# Allegro board Coral-Dev-Board-Mini-layout-Allegro.brd (continued)
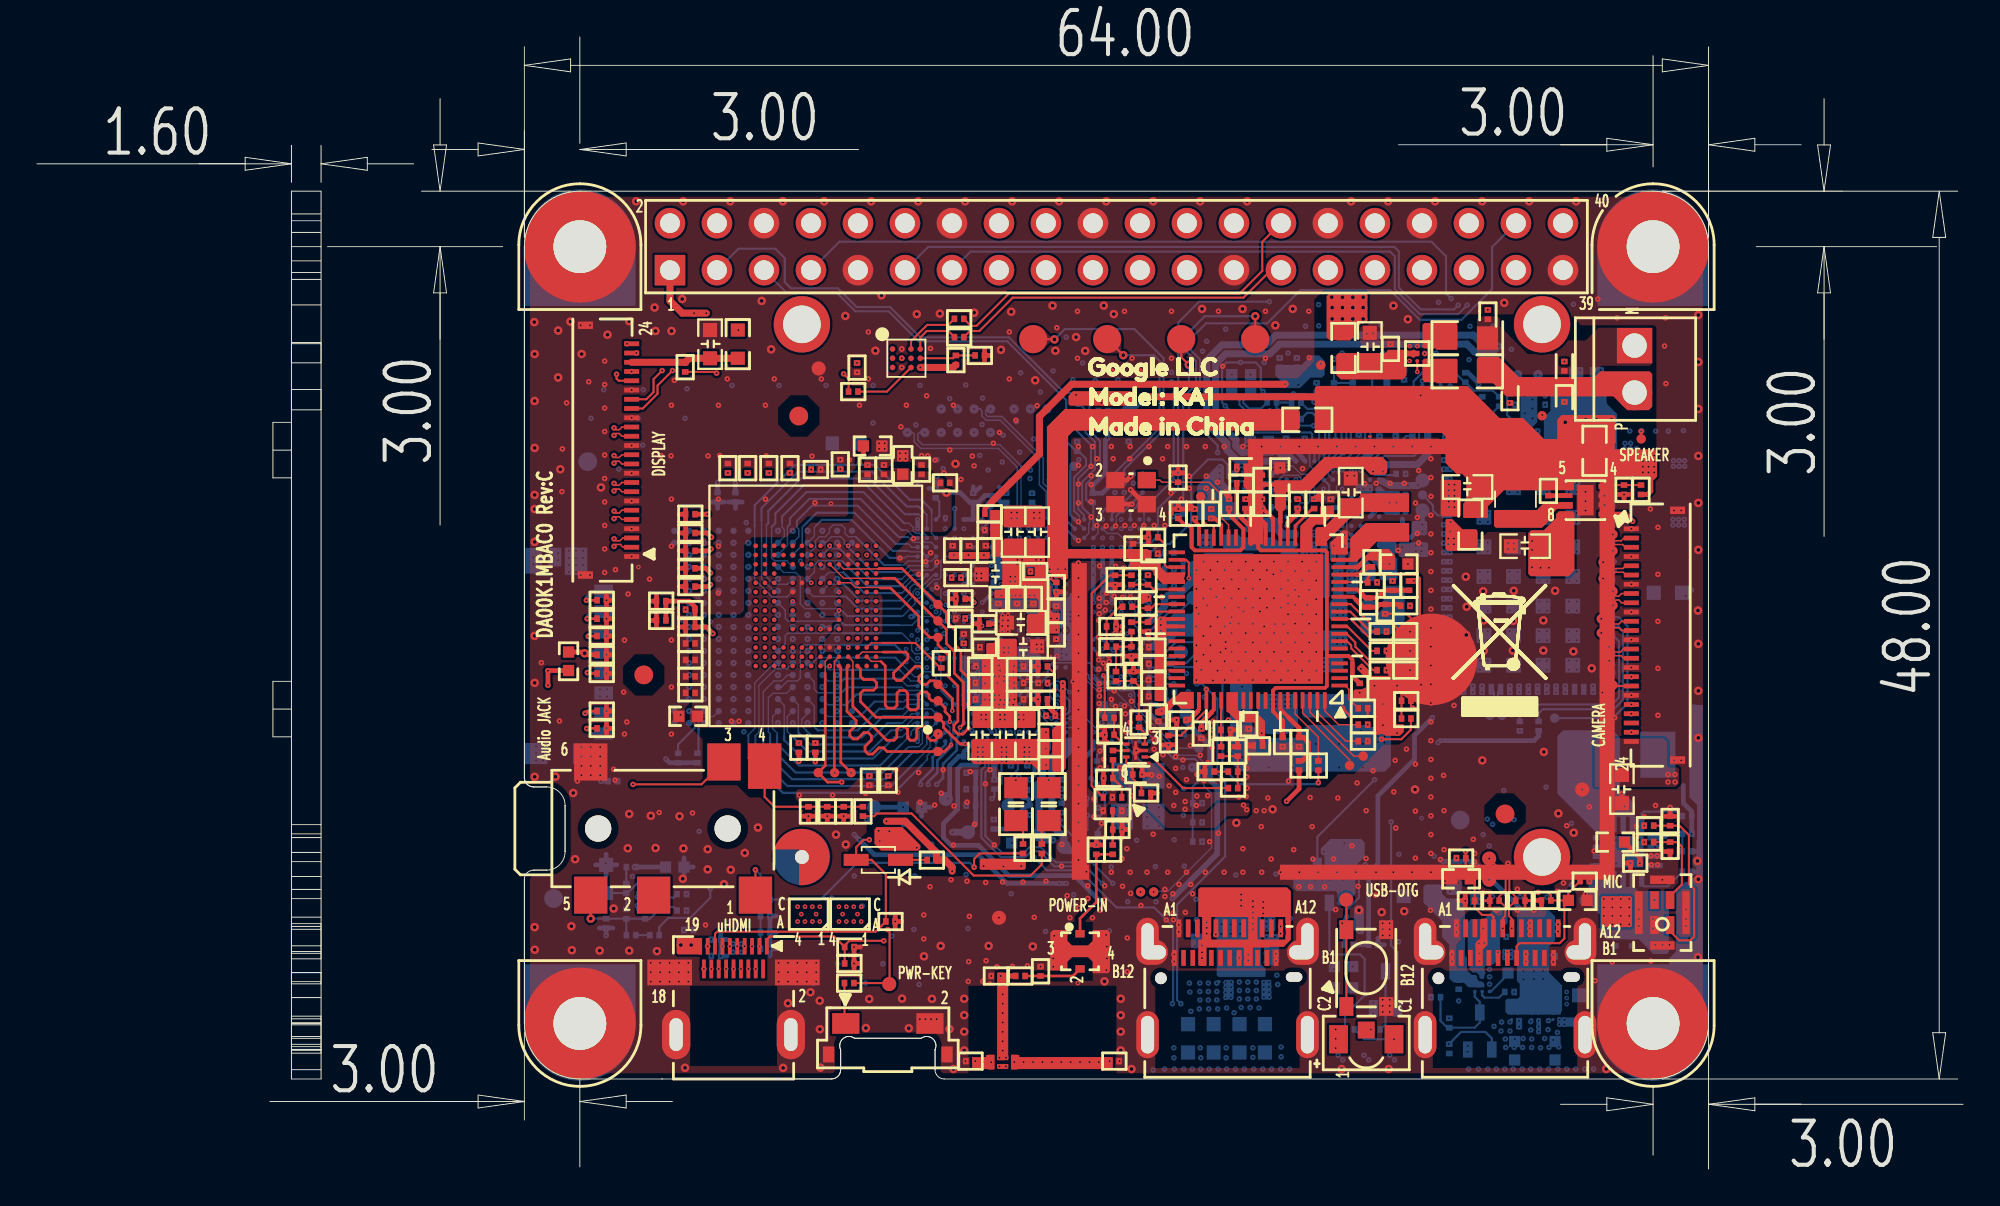
[diagram p0: board, top side]
## Copper pours and planes (outline as drawn; the poured copper is in the pictures) (continued)
VBUS on L05_POW: outline of 299 points within 33.22,6.22 89.4,51.96
VBUS on L08_IN4: 69.83,47.37 72.39,47.37 72.62,47.14 72.62,46.45 73.69,45.38 73.69,42.54 73.79,42.44 74.14,42.44 74.53,42.06 74.53,41.88 74.83,41.57 75.21,41.57 75.74,41.04 75.97,41.04 82.23,34.78 82.23,34.77 82.6,34.4 82.6,32.33 82.45,32.18 80.19,32.18 80.04,32.33 80.04,34.51 73.64,40.91 72.52,40.91 71.43,42.01 71.43,43.89 71.15,44.16 69.88,44.16 69.6,44.44 69.6,47.14
VBUS on L08_IN4: 67.08,11.17 66.04,10.13 66.04,9.06 66.24,8.86 66.24,8.4 66.12,8.27 62.36,8.27 62.16,8.48 62.1,8.48 61.8,8.78 61.8,8.96 61.99,9.15 62.22,9.15 62.24,9.18 61.85,9.57 61.85,10.54 62.87,11.55 64.82,11.55 65.22,11.94 65.22,14.74 65.76,15.28 75.31,15.28 75.64,15.62 76.89,15.62 78.17,14.33 80.84,14.33 81.89,13.28 81.89,8.5 82.02,8.38 82.02,7.74 82.2,7.56 82.42,7.56 82.65,7.33 82.65,6.57 82.45,6.37 78.39,6.37 77.9,6.85 77.9,11.68 75.74,13.84 74.58,13.84 74.12,13.38 69.67,13.38 69.22,13.84 67.69,13.84 67.51,13.66 67.51,13.08 67.08,12.64
VBUS_3W on TOP (solid shape): 74.03,44.29 74.19,44.24 74.34,44.28 74.36,44.29 74.43,44.29 74.45,44.28 74.54,44.24 74.64,44.24 74.7,44.22 74.72,44.15 74.72,44.09 74.72,44.03 74.7,43.96 74.64,43.94 74.52,43.93 74.42,43.87 74.41,43.86 74.36,43.86 74.34,43.87 73.99,43.87 73.99,43.51 74,43.5 74.01,43.47 74.01,42.9 73.81,42.69 70.46,42.69 70.23,42.92 70.23,44.01 70.33,44.11 72.87,44.11 72.95,44.19 72.95,44.22 73.03,44.29
VBUS_R on BOTTOM (solid shape): 75.94,15.26 75.94,14.88 76.2,14.63 76.96,14.63 77.17,14.42 77.17,11.55 77.28,11.44 77.28,10.75 77.53,10.5 77.73,10.5 77.83,10.41 77.83,10.27 77.96,10.14 78.1,10.14 78.21,10.02 78.23,9.85 78.19,9.81 78.17,9.81 78.1,9.82 78.04,9.81 77.77,9.81 77.72,9.82 77.37,9.82 77.11,10.08 76.56,10.08 76.33,10.31 76.33,12.13 75.94,12.52 75.94,13.39 74.93,14.41 74.93,15.26 75.05,15.39 75.81,15.39
VBUS_TYPC on TOP (solid shape): 78.39,13.49 78.39,12.11 78.14,11.86 78.14,11.01 78.11,10.99 77.8,10.99 77.75,11.04 77.75,12.22 77.99,12.47 77.99,13.46 78.06,13.54 78.35,13.54
VBUS_TYPC on BOTTOM (solid shape): 82.04,13.65 82.04,12.35 81.71,12.01 81.71,10.63 82.16,10.18 82.16,10.18 82.42,9.93 82.42,8.53 82.24,8.35 81.23,8.35 81.23,8.35 79.5,8.35 79.35,8.5 79.35,9.11 79.45,9.21 80.04,9.21 80.13,9.3 80.13,10.01 79.98,10.16 79.98,13.15 79.98,13.15 79.98,13.79 80.21,14.02 81.68,14.02
VBUS_TYPC on L04_IN2: 81.95,9.16 81.51,8.72 77.76,8.72 77.54,8.93 77.54,13.06 78.33,13.84 79.93,13.84 80.26,13.51 81.41,13.51 81.95,12.97
VBUS_TYPC_R on BOTTOM (solid shape): 79.47,13.96 79.47,13.3 79.06,12.89 79.06,11.43 78.67,11.04 78.64,11.03 78.63,11.04 78.29,10.97 78.28,10.62 78.29,10.61 78.29,10.57 78.28,10.56 78.23,10.47 78.22,10.37 78.2,10.32 78.15,10.29 78,10.29 77.95,10.34 77.95,10.46 77.89,10.53 77.86,10.55 77.84,10.58 77.79,10.63 77.58,10.63 77.4,10.81 77.4,11.49 77.32,11.58 77.32,13.34 77.44,13.46 78.15,13.46 78.71,14.02 79.42,14.02
VCCIO_PMU on L03_IN1 (solid shape): 50.8,30.75 51.03,30.75 51.13,30.65 51.13,30.24 50.86,29.97 50.86,28.91 51.23,28.54 51.23,27.54 51.04,27.34 50.8,27.34 50.76,27.35 50.69,27.34 50.63,27.3 50.59,27.26 50.58,27.25 50.56,27.24 50.31,27.24 50.18,27.37 50.18,27.38 49.95,27.61 49.95,29.74 50.4,30.18 50.4,30.62 50.53,30.76 50.8,30.76
VCCIO_PMU on L06_GND2 (solid shape): 72.41,30.85 72.41,30.05 72.24,29.88 71.59,29.88 71.42,30.05 71.42,30.85 71.55,30.98 72.28,30.98
VCCIO_PMU on L08_IN4 (solid shape): 50.85,30.59 50.85,29.61 50.9,29.56 50.9,28.87 51.23,28.54 51.23,27.37 50.97,27.1 50.75,27.1 50.63,26.99 50.37,26.99 50.22,27.14 50.22,27.94 50.23,27.97 50.29,28.12 50.23,28.26 50.22,28.29 50.22,29.44 50.23,29.47 50.29,29.62 50.23,29.76 50.22,29.79 50.22,30.62 50.37,30.76 50.68,30.76
VCCIO_PMU on BOTTOM: 50.56,27.68 50.33,27.91 49.84,27.91 49.81,27.88 48.82,27.88 48.69,28.01 47.93,28.01 47.88,28.06 47.88,29.76 47.93,29.81 48.24,29.81 48.31,29.74 48.31,29.41 48.36,29.36 48.67,29.36 48.67,29.33 48.85,29.15 49.23,29.15 49.46,29.38 49.46,30.83 49.52,30.9 50.04,30.9 50.09,30.89 50.14,30.9 50.54,30.9 50.59,30.89 50.69,30.9 50.86,30.73 50.87,30.69 50.86,30.58 50.9,30.48 50.9,30.25 50.86,30.12 50.9,29.98 50.9,27.81 50.78,27.68
VCCIO_PMU on L05_POW: outline of 149 points within 30.33,17.75 72.39,39.59
ADA_IN on TOP (solid shape): 67.76,15.02 67.76,12.39 67.38,12.01 66.7,12.01 66.59,12.01 66.59,11.97 65.71,11.97 65.71,11.02 65.7,10.99 65.67,10.98 65.26,10.98 65.23,10.99 65.22,11.02 65.22,11.3 65.23,11.32 65.24,11.37 65.24,11.41 65.24,11.46 65.23,11.51 65.22,11.53 65.22,11.97 63.21,11.97 63.21,11.02 63.2,10.99 63.17,10.98 62.81,10.98 62.76,11.03 62.76,12.37 62.77,12.39 62.79,12.4 62.97,12.4 62.97,12.68 63.43,12.68 63.44,12.63 63.45,12.59 63.46,12.57 63.46,12.4 63.69,12.4 63.73,12.4 65.47,12.4 65.96,12.4 67.47,12.4 67.47,12.62 67.48,12.65 67.49,12.7 67.49,12.75 67.49,12.78 67.49,12.8 67.49,12.85 67.48,12.9 67.47,12.93 67.47,13 67.48,13.03 67.49,13.08 67.49,13.13 67.49,13.16 67.49,13.18 67.49,13.23 67.48,13.28 67.47,13.32 67.47,13.62 65.96,13.62 65.96,12.4 65.47,12.4 65.47,13.62 63.46,13.62 63.46,12.8 63.45,12.78 63.44,12.73 63.43,12.68 62.97,12.68 62.97,13.62 62.77,13.63 62.76,13.7 62.76,15.12 62.86,15.23 67.56,15.23
ADA_IN on BOTTOM (solid shape): 66.15,13.94 66.15,11.07 66.4,10.81 66.4,10.43 66.35,10.38 66.15,10.38 66.03,10.38 66.03,10.39 65.89,10.39 65.45,10.39 65.43,10.39 64.99,10.39 64.8,10.39 64.8,10.38 63.85,10.38 63.75,10.48 63.75,13.06 63.65,13.16 63.65,13.9 63.74,13.99 66.1,13.99
ADA_IN on L04_IN2 (solid shape): 66.43,14.95 66.43,11.17 66.06,10.81 62.68,10.81 62.42,11.06 62.42,14.43 63.09,15.1 66.28,15.1
APEX_V3P3 on TOP (solid shape): 85.32,40.66 85.32,39.26 85.17,39.11 82.35,39.11 82.17,39.29 82.17,40.53 82.4,40.76 85.22,40.76
APEX_V3P3 on BOTTOM (solid shape): 82.7,42.21 84.66,42.21 84.84,42.03 84.84,41.37 85.4,40.81 85.4,37.3 85.23,37.13 84.73,37.13 84.63,37.23 84.63,39.15 84.49,39.28 81.52,39.28 81.43,39.36 81.43,40.63 81.79,40.99 81.79,42.34 81.92,42.46 82.45,42.46
BUCK_1V3_OUT on TOP (solid shape): 74.15,36.52 74.15,35.53 72,35.53 72,35.53 71.67,35.53 71.44,35.3 71.08,35.3 69.7,33.92 69.7,33.71 69.69,33.69 69.1,33.69 69.1,33.7 69.1,34.62 69.18,34.71 69.57,34.71 70.28,35.42 70.28,36.18 70.37,36.27 71.51,36.27 71.51,36.53 74.14,36.53
BUCK_1V3_OUT on TOP (solid shape): 64.89,25.75 64.89,24.84 64.97,24.76 65.82,24.76 66.37,24.21 66.37,22.78 66.32,22.73 66.14,22.73 66.09,22.78 66.09,23.16 65.81,23.44 65.81,24.1 65.76,24.15 64.92,24.15 64.43,24.64 64.38,24.68 64.32,24.7 64.28,24.73 64.28,25.75 64.31,25.78 64.87,25.78
MT7658_AVDD22 on L07_IN3 (solid shape): 66.42,35.78 66.42,35.58 66.11,35.28 66.11,35.02 66.09,35 65.32,35 65.27,35.05 65.27,35.3 65.3,35.33 65.63,35.33 66.21,35.91 66.29,35.91
PMU_VBAT_VCORE on BOTTOM (solid shape): 65.09,34.14 66.87,34.14 67.06,33.95 68.03,33.95 68.17,33.82 68.17,33.71 68,33.53 67.97,33.52 67.56,33.52 67.25,33.52 67.16,33.43 66,33.43 65.98,33.46 64.24,33.46 64.11,33.59 64.11,34.29 64.13,34.31 64.92,34.31
PMU_VBAT_VPROC on BOTTOM (solid shape): 69.2,33.83 69.2,32.81 69.07,32.68 69.07,29.8 69,29.73 68.26,29.73 68.17,29.82 68.17,32.58 68.36,32.77 68.38,32.77 68.39,32.76 68.72,32.79 68.8,33.12 68.81,33.2 68.82,33.26 68.81,33.32 68.82,33.52 68.82,33.74 68.81,33.83 68.82,33.85 68.89,33.93 69.11,33.93
PMU_VBAT_VPROC on L08_IN4 (solid shape): 69.2,33.81 69.2,32.81 69.07,32.68 69.07,29.8 69,29.73 68.32,29.73 68.23,29.82 68.23,32.64 68.36,32.77 68.38,32.77 68.39,32.76 68.72,32.79 68.8,33.12 68.81,33.2 68.82,33.26 68.81,33.32 68.82,33.52 68.82,33.74 68.81,33.83 68.82,33.85 68.86,33.9 69.1,33.9
PMU_VBAT_VSYS on BOTTOM (solid shape): 70.71,33.37 70.71,32.71 70.63,32.62 70.61,32.6 70.61,30.95 70.82,30.74 70.82,29.71 70.79,29.69 69.95,29.69 69.85,29.79 69.85,30.63 70.04,30.82 70.04,32.69 70.05,32.71 70.07,32.73 70.28,32.87 70.3,33.12 70.31,33.2 70.32,33.26 70.32,33.3 70.31,33.35 70.31,33.37 70.38,33.44 70.65,33.44
PMU_VBAT_VSYS on L08_IN4 (solid shape): 70.64,33.51 70.67,33.5 70.71,33.45 70.71,32.71 70.63,32.62 70.61,32.6 70.61,31.51 70.79,31.33 70.79,29.81 70.73,29.75 69.98,29.75 69.88,29.85 69.88,30.66 70.04,30.82 70.04,32.69 70.05,32.71 70.07,32.73 70.28,32.87 70.3,33.12 70.31,33.2 70.32,33.26 70.32,33.3 70.31,33.35 70.31,33.37 70.45,33.51
SOC_FSOURCE_P on TOP (solid shape): 52.07,35.56 52.07,33.18 51.99,33.1 51.62,33.1 51.58,33.15 51.58,34.12 51.51,34.18 51.51,35.57 51.51,35.6 51.55,35.64 52,35.64
SOC_FSOURCE_P on BOTTOM (solid shape): outline of 86 points within 51.52,30.98 52.47,33.37
SPK_N on TOP: 87.28,45.49 87.3,45.46 87.3,43.56 87.18,43.43 84.56,43.43 84.08,42.95 80.16,42.95 79.05,44.06 77.9,44.06 77.82,44.14 77.82,45.46 77.82,45.46 77.82,45.96 77.95,46.1 78.92,46.1 79.07,45.94 79.07,45.56 80.57,44.06 81.97,44.06 82.7,44.8 83.69,44.8 84.38,45.49
SPK_N_R2 on TOP (solid shape): 76.75,45.72 76.75,44.45 76.68,44.37 74.95,44.37 74.88,44.45 74.88,45.64 74.98,45.74 76.73,45.74
SPK_P on TOP (solid shape): 80.09,42.82 84.19,42.82 84.5,43.12 87.15,43.12 87.3,42.98 87.3,41.22 87.1,41.03 85.95,41.03 85.19,41.78 79.4,41.78 78.69,42.49 77.87,42.49 77.82,42.54 77.82,43.81 77.92,43.91 79,43.91
SPK_P_R2 on TOP (solid shape): 76.75,43.78 76.75,42.57 76.73,42.54 75,42.54 74.88,42.67 74.88,43.71 74.98,43.81 76.73,43.81
VAUD22_PMU on BOTTOM (solid shape): 56.3,23.11 56.3,22.86 55.57,22.13 55.09,22.13 55.05,22.09 55.05,21.94 55.02,21.91 54.7,21.91 54.65,21.96 54.65,22.33 54.93,22.61 54.93,22.78 55.01,22.86 55.02,22.87 55.04,22.87 55.27,22.94 55.34,23.17 55.34,23.18 55.35,23.2 55.47,23.32 56.09,23.32
VAUD28_PMU on BOTTOM (solid shape): 54.8,23.25 54.8,22.66 54.53,22.38 54.53,20.98 54.53,20.98 54.53,20.14 54.32,19.93 54.01,19.93 53.8,20.14 53.8,20.8 54.13,21.13 54.13,22.16 53.97,22.32 53.97,23.03 54.33,23.4 54.65,23.4
VCAM_AF_PMU on BOTTOM (solid shape): 65.43,32.73 65.43,32.51 65.35,32.43 65.02,32.43 64.89,32.3 64.89,32.1 64.84,32.05 63.53,32.05 63.5,32.08 63.5,32.7 63.59,32.8 65.36,32.8
VCAM_AF_PMU on BOTTOM (solid shape): 69.59,43.68 69.59,42.95 69.44,42.79 68.84,42.79 68.84,42.79 68.27,42.22 67.6,42.22 66.92,42.89 66.92,43.43 66.98,43.48 68.35,43.48 68.86,43.99 69.29,43.99
VCAM_AF_PMU on L08_IN4 (solid shape): 69.12,38.56 70.31,38.56 70.87,38 70.9,37.95 70.88,37.9 70.89,37.62 71.17,37.61 71.2,37.62 71.23,37.62 71.39,37.62 71.83,37.18 71.83,36.7 71.58,36.44 71.16,36.44 69.85,37.75 69.27,37.75 68.88,38.14 68.83,38.14 68.76,38.19 68.78,38.27 69.06,38.55 69.07,38.56
VCORE_PMU on TOP (solid shape): 54.48,34.06 54.48,31.82 54.78,31.52 54.78,30.2 54.91,30.07 55.24,30.07 55.27,30.04 55.27,28.98 55.24,28.95 54.53,28.95 54.43,28.85 53.54,28.85 53.49,28.9 53.49,29.92 53.59,30.02 54.07,30.02 54.12,30.07 54.12,30.75 54.02,30.86 51.79,30.86 51.74,30.91 51.74,31.24 51.81,31.31 52.09,31.31 52.17,31.39 52.17,32.3 53.46,32.3 53.46,32.29 53.46,32.05 53.92,32.05 53.92,32.29 53.92,32.56 53.46,32.56 53.46,32.3 52.17,32.3 52.17,33.95 52.29,34.08 54.45,34.08
VCORE_PMU on BOTTOM (solid shape): 65.88,32.23 65.88,29.97 65.83,29.92 65.83,29.31 65.55,29.03 65.05,29.03 64.84,29.23 64.84,30.86 65.03,31.05 65.03,32.1 65.04,32.13 65.03,32.25 65.08,32.3 65.81,32.3
VCORE_PMU on BOTTOM (solid shape): 53.23,31.9 54.03,31.9 54.09,31.89 54.15,31.9 54.64,31.9 54.9,31.63 54.91,31.61 54.91,31.26 54.91,30.98 55.19,30.91 55.19,30.91 55.48,30.91 55.49,30.91 55.71,30.92 55.82,31.11 55.83,31.14 56.19,31.14 56.26,31.07 56.26,27.6 56.14,27.48 55.23,27.48 54.96,27.75 54.96,28.23 55.12,28.39 55.13,28.39 55.32,28.59 55.18,28.83 55.17,28.83 55.16,28.85 55.16,28.89 55.17,28.9 55.24,28.94 55.28,28.99 55.34,29.02 55.4,28.99 55.82,29.12 55.4,29.25 55.34,29.22 55.28,29.25 55.24,29.29 55.17,29.33 55.16,29.35 55.16,29.39 55.17,29.41 55.18,29.41 55.32,29.6 55.22,29.81 55.19,29.87 55.22,29.93 55.29,30.23 54.99,30.33 54.98,30.32 54.69,30.32 54.69,30.33 54.59,30.35 54.49,30.33 54.48,30.32 53.69,30.32 53.69,30.33 53.55,30.34 53.42,30.28 53.39,30.26 52.28,30.26 52.26,30.28 52.09,30.35 51.92,30.28 51.89,30.26 51.6,30.26 51.43,30.44 51.43,30.71 51.59,30.86 52.22,30.86 52.44,31.09 52.44,31.17 52.57,31.3 52.57,31.93 52.68,32.04 53.09,32.04
VCORE_PMU on L03_IN1 (solid shape): outline of 150 points within 51.48,27.88 57.11,33.09
VCORE_PMU on L05_POW (solid shape): outline of 224 points within 51.36,27.89 65.15,33.24
VCORE_PMU on L06_GND2 (solid shape): 65.88,32.46 65.88,30.83 65.81,30.75 64.79,30.75 64.64,30.91 64.64,32.53 64.79,32.68 65.65,32.68
VCORE_PMU on L06_GND2 (solid shape): 52.89,32.5 52.93,32.46 52.97,32.42 53,32.39 53.09,32.39 53.13,32.39 53.55,32.39 53.59,32.39 53.77,32.39 53.8,32.38 53.97,32.21 54.35,32.21 54.44,32.12 54.45,32.08 54.52,31.76 54.84,31.69 54.85,31.69 54.87,31.69 56.26,30.3 56.69,30.3 56.8,30.19 56.8,28.16 56.79,28.14 56.12,27.46 55.32,27.46 54.79,27.99 54.79,28.28 54.92,28.41 55.2,28.41 55.81,29.02 55.81,29.31 55.64,29.49 55.54,29.49 55.44,29.59 55.44,30.17 55.28,30.34 55.05,30.34 55,30.39 54.37,30.39 54.31,30.4 54.25,30.4 54.15,30.41 54.04,30.39 54.03,30.39 53.71,30.39 53.71,30.39 53.6,30.41 53.49,30.39 53.48,30.39 53.17,30.39 53.16,30.39 53.05,30.41 52.94,30.39 52.93,30.39 52.69,30.39 52.68,30.39 52.57,30.41 52.46,30.39 52.45,30.39 51.58,30.39 51.42,30.55 51.42,30.98 51.91,31.47 51.94,31.47 51.96,31.46 52.03,31.42 52.12,31.42 52.24,31.49 52.29,31.62 52.29,31.73 52.34,31.8 52.39,31.96 52.35,32.13 52.34,32.14 52.35,32.17 52.38,32.2 52.38,32.48 52.52,32.62 52.77,32.62
VCORE_PMU on L08_IN4 (solid shape): outline of 166 points within 51.21,27.42 56.84,32.68
VCORE_PMU on L04_IN2: 54.83,27.94 54.74,28.03 54.74,28.06 54.71,28.27 54.54,28.41 54.5,28.44 54.5,29.86 54.63,29.99 54.63,30.28 54.49,30.43 52.08,30.43 51.99,30.33 51.99,29.53 52.17,29.35 52.17,28.73 51.95,28.51 51.95,28.51 51.88,28.45 51.57,28.45 51.42,28.59 51.42,28.78 51.54,28.9 51.54,29.13 51.49,29.18 51.46,29.2 51.44,29.22 51.42,29.26 51.42,29.48 51.44,29.52 51.54,29.74 51.44,29.97 51.42,30 51.42,31.35 51.81,31.75 52.14,32.08 52.35,32.28 52.35,32.61 52.8,33.07 54.47,33.07 54.74,32.8 54.9,32.8 55.05,32.64 55.89,32.64 56.23,32.3 56.23,30.75 56.85,30.14 56.85,30.07 56.85,30.07 56.85,28.97 55.82,27.94
VCORE_PMU on L07_IN3: 54.37,30.39 54.31,30.4 54.25,30.4 54.15,30.41 54.04,30.39 54.03,30.39 53.71,30.39 53.71,30.39 53.6,30.41 53.49,30.39 53.48,30.39 53.17,30.39 53.16,30.39 53.05,30.41 52.94,30.39 52.93,30.39 52.69,30.39 52.68,30.39 52.57,30.41 52.46,30.39 52.45,30.39 51.54,30.39 51.39,30.54 51.39,31.49 52.52,32.62 52.78,32.62 52.89,32.51 52.93,32.46 52.99,32.4 53.09,32.39 53.17,32.4 53.51,32.4 53.59,32.39 53.67,32.4 54.03,32.4 54.11,32.39 54.18,32.4 54.56,32.4 54.66,32.3 54.68,32.24 54.64,32.18 54.57,31.81 54.94,31.88 55,31.92 55.06,31.9 56.39,30.57 56.39,30.56 56.44,30.47 56.53,30.42 56.54,30.42 56.8,30.16 56.8,29.85 56.67,29.71 56.67,28 56.08,27.42 55.29,27.42 54.79,27.92 54.79,28.28 54.92,28.41 55.2,28.41 55.81,29.02 55.81,29.31 55.64,29.49 55.54,29.49 55.44,29.58 55.44,30.17 55.28,30.34 55.05,30.34 55,30.39
VEMC33_PMU on TOP: 36.6,29.8 38.12,29.8 38.41,30.1 38.41,31.97 38.52,32.07 41.37,32.07 41.47,31.97 41.47,30.83 42.47,29.83 43.44,29.83 43.47,29.8 43.47,29.62 43.46,29.6 43.09,29.6 42.97,29.48 42.97,29.13 42.18,28.34 42.18,27.01 42.18,27.01 42.18,24.18 41.84,23.84 35.66,23.84 35.27,24.23 35.27,24.86 35.41,25 35.41,28.87 35.49,28.95 36.25,28.95 36.45,29.15 36.45,29.65
VIO18_PMU on TOP (solid shape): 55.6,26.36 55.6,21.66 55.42,21.48 54.95,21.48 54.87,21.56 54.87,23.76 55.29,24.18 55.29,26.37 55.35,26.44 55.52,26.44
VIO18_PMU on BOTTOM (solid shape): 73.92,31.44 73.92,29.18 73.66,28.92 71.66,28.92 71.52,29.06 71.52,29.92 71.62,30.02 72.44,30.02 72.76,30.34 72.76,30.35 72.76,31.41 72.89,31.54 73.81,31.54
VIO18_PMU on BOTTOM (solid shape): 81.08,42.41 81.08,40.38 80.8,40.1 80.8,39.41 80.75,39.36 80.44,39.36 80.39,39.41 80.39,40.1 80.16,40.33 80.16,42.41 80.24,42.49 81,42.49
VIO18_PMU on L06_GND2 (solid shape): 73.05,29.97 73.05,28.87 72.87,28.7 72.01,28.7 71.73,28.98 71.73,29.64 71.8,29.71 72.31,29.71 72.69,30.09 72.92,30.09
VIO18_PMU on L07_IN3 (solid shape): 57.55,24.2 57.55,24.14 57.55,23.29 57.55,22.85 57.46,22.75 57.05,22.75 56.97,22.83 56.97,23.12 56.82,23.27 56.82,23.59 56.82,23.6 56.82,23.71 56.82,23.72 56.82,23.92 56.47,24.28 56.47,24.66 56.57,24.76 56.99,24.76
VIO18_PMU on TOP: 43.02,27.95 42.62,27.95 42.54,28.03 42.54,28.12 42.54,28.12 42.54,28.58 43.05,29.1 43.05,29.31 43.25,29.5 43.47,29.5 43.58,29.62 43.58,29.83 43.5,29.91 42.6,29.91 41.54,30.97 41.54,31.99 41.53,31.99 41.53,34.65 41.83,34.95 43.86,34.95 44.09,35.19 44.09,37.42 44.46,37.79 45.73,37.79 45.75,37.78 46.14,37.78 46.27,37.91 47.1,37.91 47.29,37.72 48.15,37.72 48.49,37.38 48.9,37.38 49.02,37.25 49.02,36.87 49.1,36.79 49.35,36.79 49.43,36.71 49.43,34.79 49.08,34.44 47.1,34.44 45.54,32.88 44.39,32.88 44,32.48 43.03,32.48 42.97,32.42 43.15,32.24 43.15,31.68 43.26,31.57 43.8,31.57 44.31,31.05 45.58,31.05 45.69,30.94 45.69,29.06 45.5,28.87 45.5,28.85 44.73,28.85 44.65,28.77 44.65,28.54 44.48,28.37 43.46,28.37 43.03,27.95
VIO18_PMU on BOTTOM: 44.2,39.8 46.28,39.8 47.35,38.73 49.07,38.73 49.23,38.58 49.23,37.79 49.05,37.61 48.46,37.61 48.24,37.38 47.12,37.38 46,38.5 44.17,38.5 44.07,38.6 44.07,39.67
VIO18_PMU on BOTTOM: 56.42,26.23 56.8,26.23 57.23,25.8 57.23,24.56 57.15,24.48 56.49,24.48 56.26,24.71 56.26,26.08
VIO18_PMU on L05_POW: outline of 157 points within 48.4,15.26 86.41,42.72 ; 1 cut-out
VMC_PMU on L08_IN4 (solid shape): 71.51,35.99 72.13,35.99 72.26,35.86 72.27,35.84 72.26,35.81 72.22,35.78 72.22,35.77 72.1,35.69 72.05,35.56 72.04,35.53 72.01,35.52 71.59,35.52 71.49,35.5 71.38,35.43 71.08,35.43 70.04,36.47 70.03,36.49 70.03,36.51 69.99,36.7 69.81,36.77 69.76,36.78 69.73,36.83 69.67,36.93 69.55,36.97 69.54,36.97 69.34,37.17 69.34,37.45 69.55,37.65 69.84,37.65
VPROC_PMU on TOP (solid shape): 52.95,28.62 52.95,27.5 52.98,27.48 52.98,25.1 53.04,25.05 53.18,25.05 53.38,24.84 53.91,24.84 53.98,24.78 53.98,23.9 53.93,23.85 50.57,23.85 50.56,23.86 50.56,24.77 50.73,24.95 50.86,24.95 51.06,25.15 51.06,27.72 51.14,27.81 51.25,27.81 51.3,27.86 51.3,28.39 51.36,28.45 51.71,28.45 51.83,28.57 51.84,28.57 51.94,28.67 52.9,28.67
VPROC_PMU on BOTTOM (solid shape): 68.14,25.65 68.14,24.07 67.59,23.52 66.44,23.52 65.93,24.02 65.93,25.65 65.96,25.67 68.12,25.67
VPROC_PMU on BOTTOM (solid shape): 53.85,28.16 53.86,28.15 53.86,28.13 53.93,27.96 54.1,27.89 54.12,27.88 54.25,27.75 54.25,27.13 53.99,26.87 52.99,26.87 52.88,26.76 52.88,26.71 52.88,26.7 52.89,26.5 53.07,26.39 53.09,26.38 53.1,26.35 53.1,25.9 53.05,25.84 53.04,25.84 52.93,25.78 52.87,25.67 52.86,25.66 52.13,24.93 51.6,24.93 51.58,24.94 51.44,25.07 51.44,27.51 51.44,27.66 51.71,27.92 51.75,27.96 51.79,28 52.05,28.26 53.75,28.26
VPROC_PMU on L05_POW (solid shape): outline of 701 points within 50.8,22.96 64.61,29.31
VPROC_PMU on L06_GND2 (solid shape): 52.43,28.25 53.66,28.25 54.23,27.69 54.23,27.54 54.06,27.37 53.07,27.37 52.36,26.66 52.36,25.13 52,24.77 51.53,24.77 51.37,24.93 51.37,28.03 51.64,28.31 51.66,28.32 51.83,28.33 51.98,28.42 52.26,28.42
VPROC_PMU on L07_IN3 (solid shape): 65.63,25.67 68.04,25.67 68.19,25.52 68.19,24.66 67.94,24.4 64.03,24.4 63.78,24.66 63.78,25.95 63.88,26.06 65.25,26.06
VPROC_PMU on L07_IN3 (solid shape): 52.43,28.25 53.66,28.25 54.23,27.69 54.23,27.54 54.09,27.4 53.1,27.4 52.43,26.74 52.43,25.29 51.91,24.77 51.53,24.77 51.37,24.93 51.37,28.03 51.64,28.31 51.66,28.32 51.82,28.33 51.95,28.4 51.98,28.41 52.09,28.41 52.14,28.42 52.26,28.42
VPROC_PMU on L08_IN4 (solid shape): 52.37,28.29 53.6,28.29 54.22,27.68 54.22,27.48 53.6,26.86 53.51,26.86 53.39,26.74 53.39,26.62 53.39,26.59 53.39,26.24 51.93,24.78 51.53,24.78 51.37,24.94 51.37,27.66 51.38,27.67 51.38,28.24 51.48,28.34 51.6,28.34 51.61,28.34 51.73,28.31 51.85,28.34 51.86,28.34 51.93,28.34 52,28.41 52.25,28.41
VPROC_PMU on L03_IN1: 53.51,27.25 53.15,27.31 53.32,26.99 53.37,26.97 53.37,26.69 53.19,26.5 53.19,26.43 53.17,26.4 53.15,26.13 53.41,26.07 53.42,26.08 53.8,26.08 53.86,26.02 53.86,24.63 53.29,24.06 51,24.06 50.85,24.21 50.85,25.08 50.94,25.17 50.94,27.05 50.95,27.09 50.96,27.14 51.32,27.5 51.32,27.99 51.59,28.26 52.06,28.26 52.2,28.39 52.35,28.39 52.54,28.33 52.73,28.39 53.03,28.39 53.13,28.33 53.27,28.31 53.28,28.3 53.86,27.73 53.86,27.32 53.79,27.25
VPROC_PMU on L04_IN2: 52.58,28.33 53.13,28.33 53.23,28.31 53.33,28.33 53.83,28.33 53.84,28.32 53.84,24.65 53.08,23.89 51.09,23.89 50.82,24.16 50.82,25.07 51.1,25.35 51.1,27.3 51.1,27.31 51.11,27.33 51.14,27.35 51.17,27.38 51.24,27.56 51.18,27.76 51.18,27.81 51.49,28.11 52,28.11 52.22,28.34 52.33,28.34 52.34,28.33 52.54,28.33
VSYS on BOTTOM (solid shape): 66.89,28.98 67.56,28.98 67.7,29.12 70.73,29.12 70.81,29.04 70.81,28.11 70.73,28.03 68.3,28.03 68.22,28.11 66.04,28.11 65.93,28.21 65.93,28.94 66.11,29.12 66.75,29.12
VSYS on BOTTOM (solid shape): 73.46,33.87 73.46,33.32 73.36,33.22 72.95,33.22 72.62,33.55 72.52,33.55 72.41,33.65 72.41,33.83 72.53,33.95 72.62,33.95 72.62,33.95 72.67,33.95 72.77,34.06 72.77,34.21 72.85,34.28 73.05,34.28
VSYS on BOTTOM (solid shape): 64.16,37.99 64.16,37.16 64.46,36.85 64.46,36.34 64.46,36.34 64.46,36.22 64.62,36.06 64.77,36.06 64.94,35.89 64.94,35.11 64.92,35.08 62.78,35.08 62.7,35.16 62.7,36.84 62.71,36.85 62.71,36.95 63.88,38.12 64.03,38.12
VSYS on BOTTOM (solid shape): 72.87,36.65 73.62,36.65 73.67,36.6 73.67,35.43 73.61,35.38 72.87,35.38 72.67,35.58 72.52,35.58 72.5,35.59 72.5,35.6 72.44,35.68 72.36,35.73 72.34,35.74 72.33,35.77 72.33,36.8 72.43,36.9 72.62,36.9
VSYS on L09_IN5 (solid shape): 89.35,38.32 89.35,34.84 89.15,34.64 88.16,34.64 87.96,34.84 87.96,38.53 88.03,38.6 89.07,38.6
VSYS on BOTTOM: 89.05,39.49 89.24,39.3 89.24,32.51 88.39,31.66 88.39,30.73 89.15,29.97 89.15,20.53 88.99,20.36 86.13,20.36 85.93,20.57 85.93,24.68 86.13,24.89 86.13,29.51 85.5,30.14 85.46,30.19 85.46,32.08 85.58,32.2 85.58,39.35 85.72,39.49
VSYS on L07_IN3: outline of 95 points within 63.74,28.24 86.64,40.77
VSYS_L on BOTTOM (solid shape): 85.55,23.34 85.55,20.54 86.36,19.74 86.36,18.26 86.31,18.21 86.12,18.21 86.1,18.22 86.08,18.25 86.08,19.05 85.86,19.05 85.86,18.25 85.85,18.22 85.82,18.21 85.62,18.21 85.6,18.22 85.58,18.25 85.58,19.05 85.36,19.05 85.36,18.25 85.35,18.22 85.32,18.21 84.25,18.21 82.17,20.29 82.17,23.41 82.48,23.72 85.17,23.72
VSYS_PMU on BOTTOM (solid shape): 71.5,25.67 73.25,25.67 73.35,25.57 73.35,24.61 73.25,24.51 72.17,24.51 72.07,24.4 68.53,24.4 68.4,24.53 68.4,25.62 68.45,25.67 71.5,25.67
VSYS_PMU on L07_IN3 (solid shape): outline of 196 points within 70.41,25.09 73.56,34.15
WIFI_3.3V on TOP (solid shape): 73.4,33.17 73.4,32.46 73.35,32.41 72.54,32.41 72.46,32.48 72.46,32.84 72.39,32.91 71.8,32.91 71.78,32.94 71.78,33.12 72.18,33.52 73.05,33.52
WIFI_3.3V on TOP (solid shape): 77.03,34.59 77.77,34.59 77.85,34.51 77.85,33.5 77.77,33.42 76.22,33.42 76.12,33.52 76.12,35.08 76.13,35.11 76.17,35.15 76.48,35.15
WIFI_3.3V on TOP (solid shape): 72.97,38.24 72.97,37.66 72.84,37.54 72.07,37.54 71.72,37.89 70.03,37.89 69.64,37.51 68.72,36.59 66.87,36.59 66.85,36.61 66.85,37.21 66.87,37.23 68.32,37.23 69.6,38.51 72.7,38.51
WIFI_3.3V on L03_IN1 (solid shape): 74.49,26.26 74.49,25.95 73.66,25.12 73.43,25.12 73.33,25.22 73.33,25.55 74.14,26.36 74.39,26.36
WIFI_3.3V on L03_IN1 (solid shape): 65.54,22.41 65.55,22.4 65.69,22.27 65.69,20.47 65.91,20.24 65.91,19.81 65.41,19.3 65.36,19.3 65,19.65 65,19.76 65.25,20.01 65.25,20.26 64.97,20.54 64.97,21.51 64.63,21.85 62.79,23.69 62.79,24 62.94,24.15 63.8,24.15
WIFI_3.3V on L04_IN2 (solid shape): 73.73,32.76 73.73,31.62 73.91,31.44 74.87,31.44 75.13,31.19 75.13,26.61 74.19,25.67 73.91,25.67 73.83,25.75 73.83,26 74.72,26.89 74.72,30.22 74.48,30.46 74.48,30.48 74.34,30.69 74.08,30.7 74.04,30.68 73.15,30.68 72.92,30.91 72.92,32.65 72.92,32.65 72.92,32.84 72.97,32.89 73.61,32.89
WIFI_3.3V on TOP: 61.03,18.44 60.02,19.45 60.02,20.47 60.02,20.48 60.05,20.52 60.67,20.52 60.68,20.5 60.68,19.73 61.24,19.17 63.17,19.17 63.8,19.8 65.48,19.8 65.53,19.76 65.53,19.23 65.37,19.07 64.31,19.07 64.26,19.02 63.67,18.44
WIFI_3.3V on L05_POW: 73,32.53 72.92,32.61 72.92,36.52 72.03,37.41 72.03,37.84 72.16,37.97 73.12,37.97 73.18,37.94 73.19,37.86 73.26,37.56 73.57,37.51 73.74,37.51 73.98,37.42 74.21,37.51 74.9,37.51 76.73,35.68 76.73,33.44 75.82,32.53
N16782999 on TOP (solid shape): 52.49,5.89 51.89,5.89 51.89,10.61 52.49,10.61
N16782999 on L02_GND1 (solid shape): 52.49,5.4 51.89,5.4 51.89,10.6 52.49,10.6
N16783337 on TOP (solid shape): 53.09,6.05 58.14,6.05 58.14,5.4 52.64,5.4 52.64,6.16 53.09,6.16
N16783337 on L02_GND1 (solid shape): 53.09,6.05 58.14,6.05 58.14,5.4 52.64,5.4 52.64,6.16 53.09,6.16
N16795155 on TOP (solid shape): 83,36.04 83,35.72 82.96,35.69 82.15,35.69 81.97,35.51 81.97,35.3 81.34,34.67 78.84,34.67 78.74,34.77 78.74,35.58 78.79,35.63 81.06,35.63 81.49,36.06 82.99,36.06
N16819496 on BOTTOM (solid shape): 57.87,25.22 57.88,25.2 57.87,25.19 57.93,24.96 58.16,24.9 58.18,24.9 58.2,24.89 58.28,24.82 58.28,24.81 58.34,24.75 58.34,24.14 58.18,23.98 57.89,23.98 57.82,24.04 57.81,24.06 57.81,24.07 57.75,24.28 57.54,24.34 57.53,24.34 57.51,24.35 57.39,24.47 57.39,25.18 57.52,25.31 57.79,25.31
